# Allegro board RK_EVB7_RK3588_LP4XD200P232SD8_V11_20230111YWQ.brd (continued)
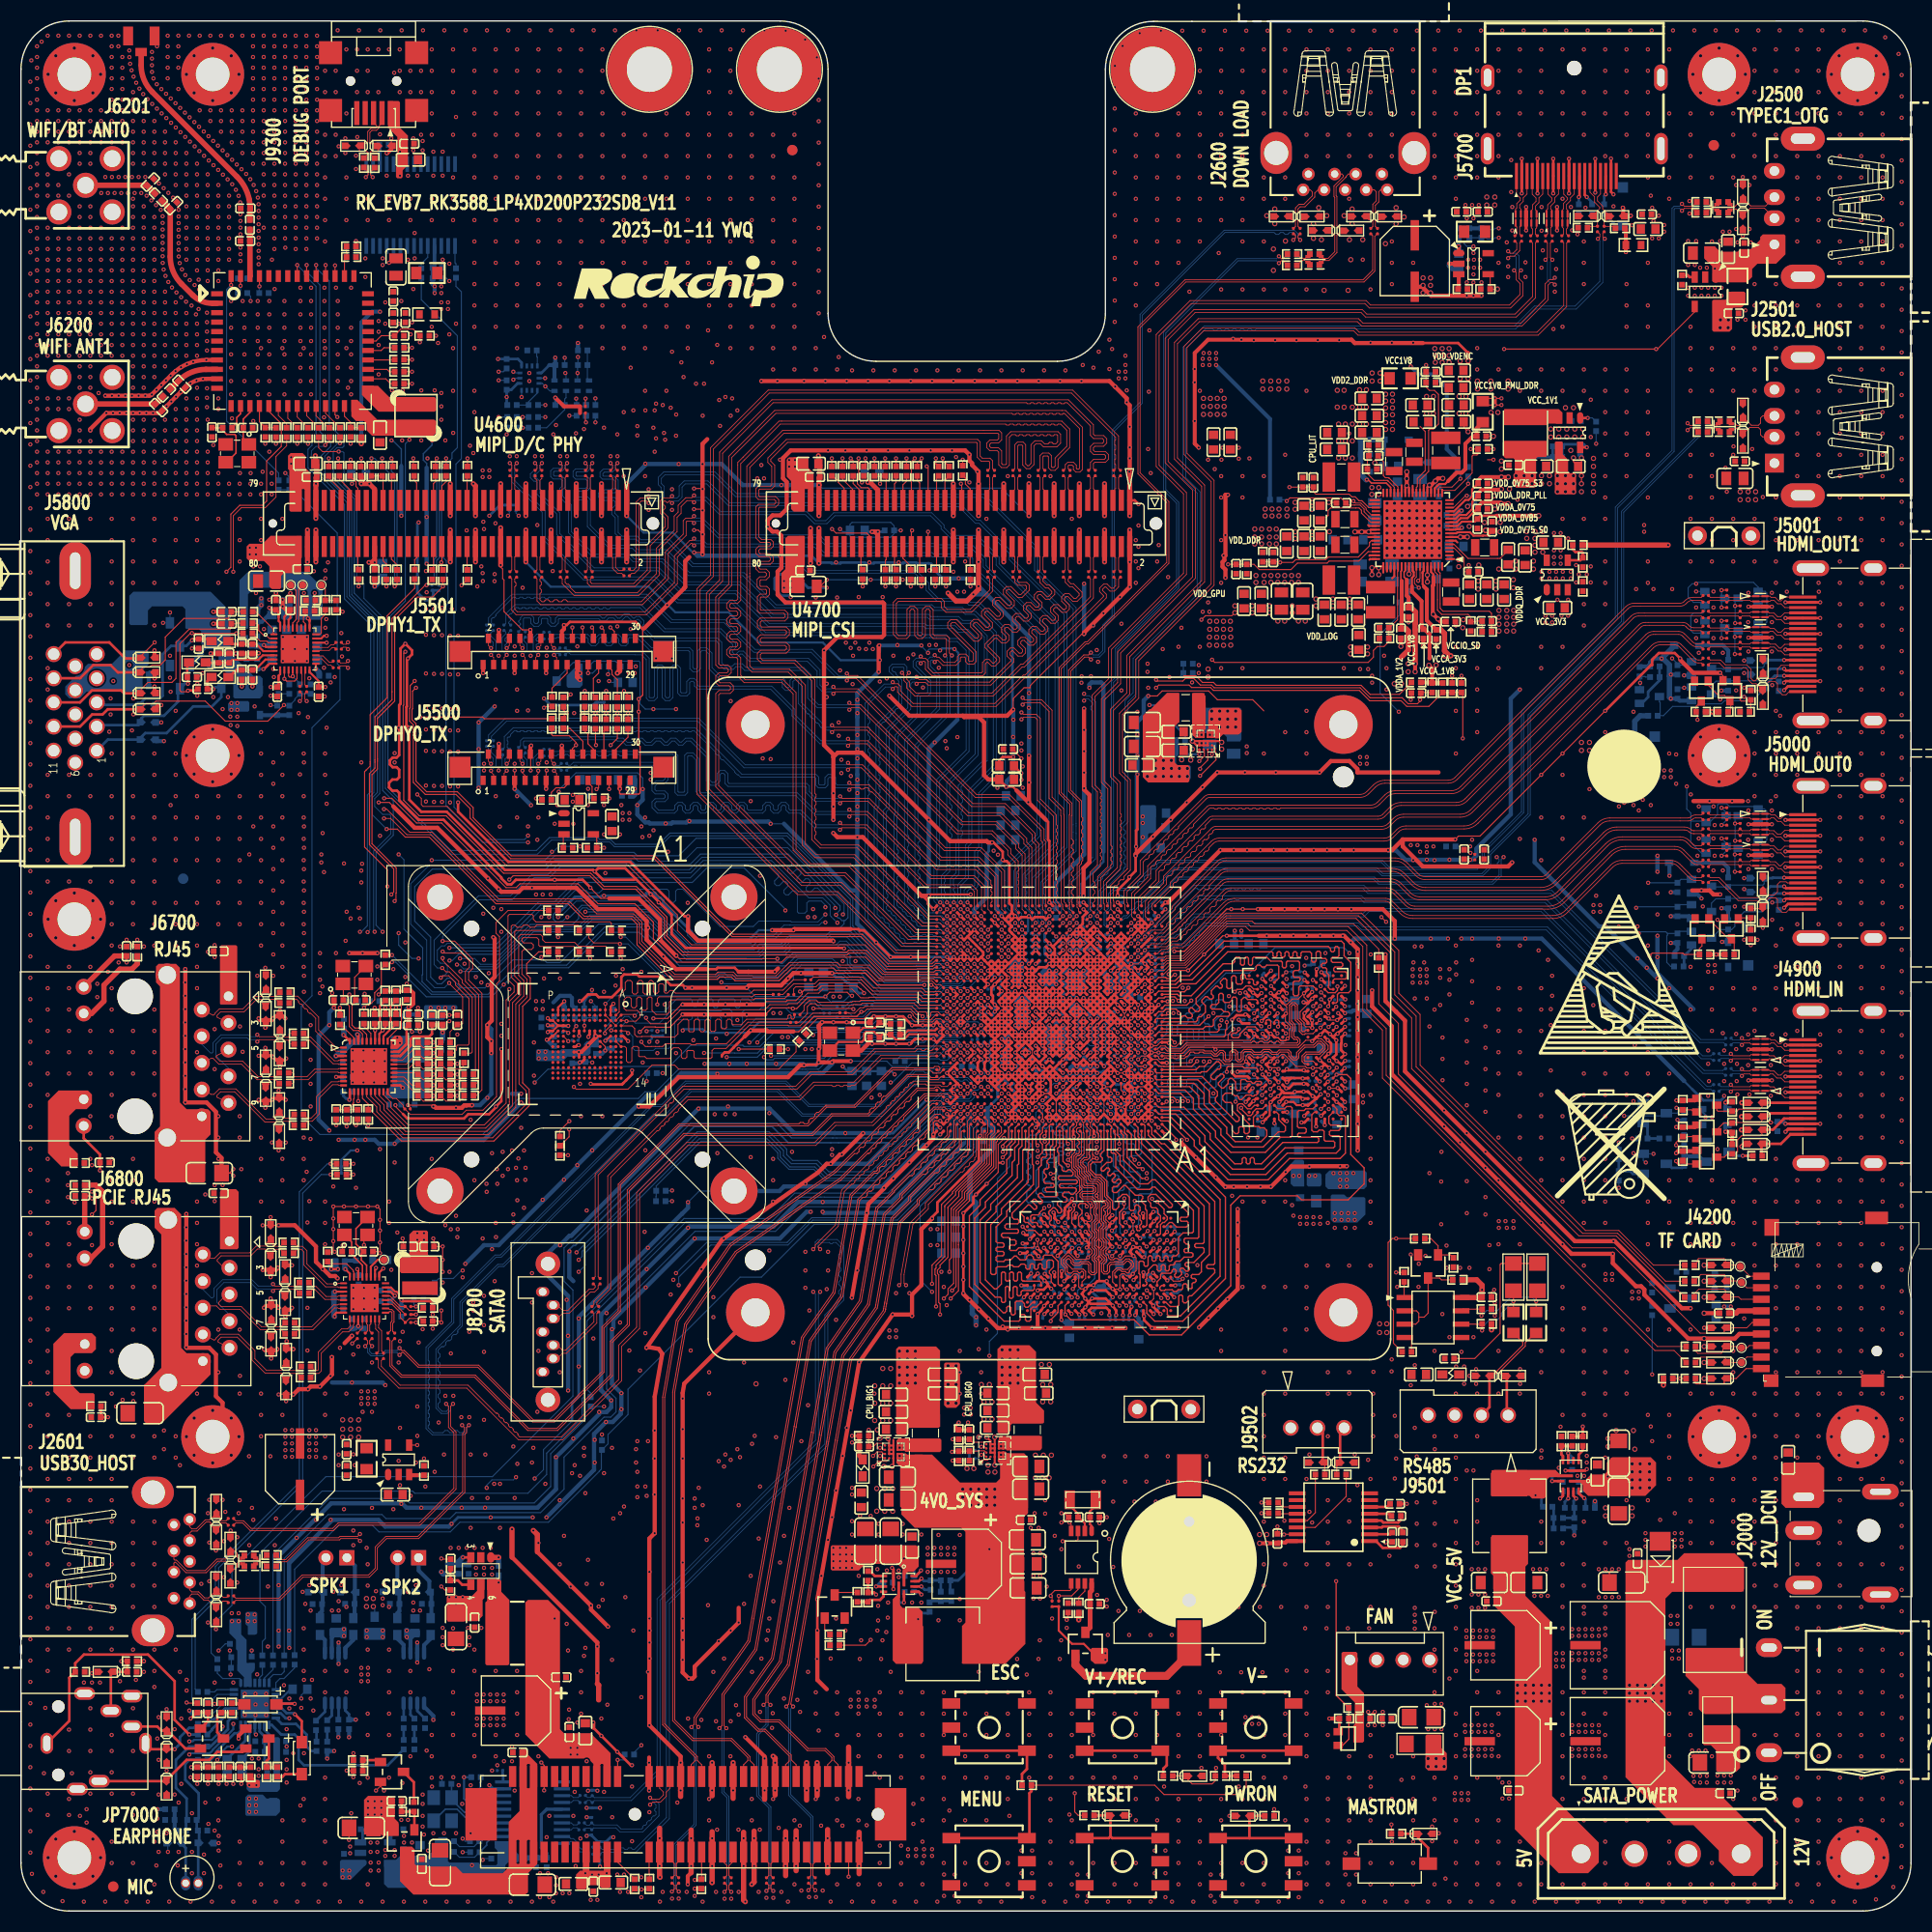
[diagram p0: board, top side]
## Routing (per net, layer and track width the routed paths; a pad name or vN(x,y) marks a point on that pad's centre or on a via; arc(x,y) is an arc through that point) (continued)
  BOTTOM w0.104: 89.82,73.12 89.95,73.26 89.95,73.64 89.82,73.77 ; v1(35.97,100.62) 36.47,100.12 36.47,93.51 38.25,91.73 38.25,89.19 38.2,89.14 38.2,88.51 39.17,87.53 41.43,87.53 41.81,87.91 ; v1(59.21,106.85) 59.21,107.9 58.71,108.39 52.85,108.39 51.21,106.75 v1(51.21,106.59) ; v1(63.53,67.5) 64.59,68.57 U4000.HOLE2 ; v1(38,83.73) v1(37.24,83.73) ; v1(13.53,122.68) D5810.1 v1(14.19,123.67) ; C4707.2 78.95,132.06 79.15,132.25 82.83,132.25 83.15,131.92 C4706.2 ; C4707.2 78.95,130.93 79.06,130.83 82.81,130.83 83.15,131.17 C4706.2 ; C4707.2 78.83,131.36 78.26,131.36 v1(78,131.61) ; 84.35,80.43 84.35,80.43 82.96,80.43 82.45,80.94 v1(79.02,80.94) ; C4706.2 v1(83.78,131.49) ; Q4903.2 154.5,71.5 154.71,71.29 v1(154.74,71.29) ; Q4903.2 153.63,72.11 v1(153.57,72.18) ; Q4903.2 v1(155.47,72.11) ; 72.03,90.56 71.81,90.34 63.02,90.34 62.41,90.95 v1(62.41,91) 62.41,91.07 59.48,94 55.01,94 51.34,90.32 50.08,90.32 v1(49.56,90.85) 49.3,90.59 46.86,90.59 v1(44.45,88.18) 44.18,87.91 41.81,87.91 ; 72.03,90.56 v1(72.03,90.7) ; 72.03,90.56 72.35,90.24 72.52,90.24 73.5,91.23 73.76,91.23 73.77,91.24 78.72,91.24 79.07,90.89 78.94,90.76 78.94,90.29 79.27,89.96 80.08,89.96 81.86,88.18 85.5,88.18 ; C1061.2 74.77,89.39 74.7,89.32 v1(74.28,89.32) ; C7004.2 19.46,25.44 v1(18.82,24.81) ; C9000.2 v1(51.78,147.93) ; C7013.2 26.7,20.55 v1(26.7,20.23) ; R1405.2 101.05,96.56 v1(101.19,96.7) ; 86.54,76.62 86.54,76.46 83.13,73.05 82.58,73.05 ; C8119.2 44.09,4.99 v1(43.97,4.87) ; C7015.2 25.24,15.72 v1(25.3,15.66) ; 72.67,103.55 v1(71.4,103.55) ; 54.04,106.69 54.04,106.84 v1(54.01,106.87) ; v1(35.33,90.36) 35.69,90.36 36.98,89.07 36.98,88.69 38.6,87.07 44.82,87.07 v1(45.98,88.22) 47.59,89.83 52.15,89.83 55.53,93.21 58.88,93.21 v1(61.18,90.91) ; ED5003.2 164.4,97.04 v1(164.11,97.32) ; v1(82.83,78.91) 82.98,78.91 84.38,80.3 ; v1(104.44,96.7) 104.78,96.7 R1406.2 ; v1(40.03,12.74) 40.09,12.68 C8129.2 ; v1(19.96,22.52) 19.96,23.12 C7001.2 20.02,23.18 C7003.2 19.99,24.17 19.89,24.27 v1(19.89,24.81) ; v1(39.12,100.08) 49.9,100.08 51.21,101.39 v1(53.24,101.39) 53.81,100.81 58.38,100.81 58.7,100.5 62.64,100.5 64.3,102.16 72.55,102.16 78.76,95.96 78.76,94.59 78.49,94.33 78.38,94.33 ; v1(85.75,120.53) 85.75,120.46 v1(86.39,119.83) 86.39,120.06 86.51,120.18 87.4,120.18 v1(87.53,120.06) ; ED5002.2 164.24,95.77 v1(164.11,95.65) ; v1(166.78,96.05) 167.21,96.05 C5011.2 ; v1(69.11,87.92) 69.94,87.09 v1(76.61,87.09) 77.17,86.53 77.3,86.65 78.38,86.65 78.89,87.16 v1(79.15,87.16) ; v1(53.04,148) C9001.2 53.01,147.2 v1(53.01,146.47) CON9000.3 ; C4009.2 55.61,84.13 v1(55.61,83.59) ; C9303.2 40.1,157.21 v1(40.16,157.27) ; v1(78.64,84.64) 78.78,84.5 79.07,84.5 79.08,84.51 80.55,84.51 81.18,85.13 81.18,85.15 v1(81.23,85.2) ; 78.38,94.33 78.19,94.33 77.94,94.57 77.82,94.57 77.62,94.78 77.62,94.87 v1(77.63,94.87) 77.63,94.96 78,95.34 78,95.71 73.06,100.66 64.7,100.66 63.73,99.68 58.5,99.68 58.11,100.07 50.83,100.07 49.99,99.23 39.17,99.23 37.5,97.56 37.5,94.26 39.01,92.75 39.01,88.94 39.65,88.31 40.06,88.31 40.59,88.84 40.97,88.84 41.81,88 41.81,87.91 ; 78.38,94.33 78.38,94.02 78,93.64 76.21,93.64 76.08,93.51 73.66,93.51 v1(73.56,93.41) 72.62,93.41 71.78,92.57 70.35,92.57 69.64,91.86 69.59,91.8 63.83,91.8 59.86,95.78 53.4,95.78 52.28,94.66 v1(52.04,94.66) 51.97,94.66 51.59,94.27 51.41,94.27 51.34,94.2 50.96,94.2 50.69,94.47 50.69,94.9 50.9,95.11 51.15,95.11 51.4,95.35 ; Q4900.2 153.76,76.94 v1(153.57,77.13) ; v1(17.3,117.9) 17.3,117.91 D5803.1 ; C9304.2 40.54,155.49 v1(40.79,155.23) ; C4008.2 54.35,80.87 v1(54.41,80.81) ; ED5010.2 v1(164.11,116.5) ; ED7000.2 13.98,5.64 v1(14,5.63) ; v1(45.75,82.08) 45.87,82.21 45.87,83.23 v1(45.75,83.35) 45.87,83.48 45.87,84.37 v1(45.75,84.5) ; v1(56.01,117.13) 56.14,117.01 C5513.2 ; v1(45.49,146.6) 45.94,146.6 C9003.2 ; v1(138.33,158.54) 137.69,158.54 137.44,158.79 137.44,158.85 C2600.2 R2601.2 139.52,159.36 139.65,159.23 140.26,159.23 140.39,159.36 v1(140.74,159.36) ; v1(76.73,126.79) 84.86,126.79 85.24,126.41 ; ED5012.2 v1(164.11,119.09) ; R4921.2 v1(152.17,73.19) ; C4900.2 167.22,75.1 v1(166.65,75.1) ; U9000.6 47.03,145.98 v1(46.89,145.84) ; v1(53.16,83.35) 53.15,83.35 53.15,83.04 C4005.2 ; 166.78,116.75 166.78,116.75 v1(166.78,116.75) ; v1(42.06,6.9) 42.32,6.64 R8115.1 ; v1(48.92,41.19) 49.76,42.02 49.76,43.94 52.48,46.66 ; C7000.2 v1(21.97,24.81) ; U9000.7 47,146.49 v1(46.89,146.6) ; C5510.2 51.01,117.32 52.58,118.89 52.67,118.89 52.79,119.01 53.9,119.01 54,118.91 54,118.53 C5511.2 54.58,119.04 56.6,119.04 C5512.2 57.11,118.94 57.21,119.04 58.85,119.04 58.95,118.94 58.95,114.98 59.46,114.47 v1(60.22,114.47) v1(62.38,114.47) ; v1(37.87,90.72) 37.24,90.72 35.97,91.99 v1(35.97,93.13) ; v1(76,135.8) 76.29,135.51 93.36,135.51 v1(95.99,132.88) ; 42.82,7.53 R8118.1 ; v1(159.54,125.67) 160.36,125.67 Q5010.2 ; 89.22,73.62 88.95,73.34 88.95,73.34 87.73,72.12 87.73,72.12 87.53,71.92 87.27,71.92 ; R9006.2 v1(49.94,143.42) ; C5802.2 C5805.2 ; ED5004.2 v1(164.11,98.36) ; R4911.2 v1(153.44,73.57) ; C9002.2 v1(45.49,145.78) ; ED7001.2 v1(18.82,6.47) ; v1(41.68,11.98) 41.81,11.85 ; R8112.1 v1(42.06,5.6)
  BOTTOM w0.127: v1(96.64,74.6) v1(96.64,75.25) ; 38.63,137.45 38.63,137.87 38.32,138.18 38.32,138.79 39.14,139.61 v1(39.14,140.06) ; v1(35.28,140.06) 35.33,140.06 35.39,139.99 35.46,139.99 36.22,139.23 36.22,137.71
  BOTTOM w0.152: 82.58,73.05 82.46,73.16 80.58,73.16 80.58,73.16 79.82,73.16 79.82,73.16 77.88,73.16 77.88,73.16 77.12,73.16 77.11,73.17 73.07,73.17 71.53,74.72 64.12,74.72 52.79,63.39 52.61,63.39 52.25,63.03 52.25,62.85 v1(52.22,62.82) ; v1(86.89,73.95) 86.77,74.08 86.77,74.59 R1801.2
  BOTTOM w0.203: 162.2,77.51 v1(162.2,77.64) ; v1(71.54,93.41) 70.25,93.41 69.37,92.52 65.13,92.52 ; v1(99.89,86.95) C1006.2 100.22,87.28 v1(100.54,86.95) ; v1(20.09,15.66) 19.64,15.66 18.96,14.98 18.96,14.65 v1(18.69,14.39) ; 89.18,113.83 89.26,113.92 89.26,119.83 v1(88.91,120.18) 88.8,120.18 88.73,120.25 87.72,120.25 v1(87.53,120.06) ; v1(16.03,14.9) 16.15,15.03 17.99,15.03 18.25,15.29 18.25,15.35 20.22,17.31 v1(20.22,17.82) ; v1(99.89,90.2) U1000.AE14 C1002.2 ; C1001.2 U1000.AE13 v1(100.54,90.2) ; v1(76.3,84.64) 70.27,84.64 v1(69.49,83.86) 69.37,83.73 69.22,83.73 69.13,83.64 67.21,83.64 ; R1719.2 108.99,96.05 v1(108.99,96.05) ; v1(67.21,83.54) 67.21,83.54 67.21,83.64 ; C1039.2 v1(97.94,90.2) ; 67.21,83.64 65.54,83.64 65.45,83.73 65.18,83.73 64.93,83.98 63.14,83.98 v1(63.02,83.86) ; 98.7,96.05 98.83,96.05 ; 98.7,96.05 98.58,96.18 98.58,96.56 ; 98.7,96.05 v1(97.94,96.05) ; v1(95.99,94.75) 95.91,94.67 95.91,93.32 C1605.2 ; v1(48.08,128.48) 50.44,126.13 59.79,126.13 v1(61.54,124.37) 61.63,124.37 62.31,123.69 67.39,123.69 70.27,120.8 76.37,120.8 78.04,119.13 v1(81.79,119.13) ; R1730.2 108.74,90.71 C1619.2 ; v1(16.03,16.15) 16.03,16.17 16.35,16.17 16.48,16.3 18.18,16.3 19.2,17.31 v1(19.2,17.57) ; 103.09,100.88 103.09,99.93 100.99,97.83 100.99,96.91 v1(101.19,96.7) ; 158.37,79.06 159.18,78.25 ; v1(57.68,132.88) 59.29,131.28 62.08,131.28 63.97,129.39 v1(64.1,129.39)
  BOTTOM w0.254: v1(120.57,78.93) 120.59,78.95 120.59,79.31 C3807.2 121.26,79.34 C3821.2 ; v1(108.45,63.16) 108.45,63 108.03,62.58 C3872.2 ; C1742.2 104.69,90.85 104.93,90.85 105.47,90.3 105.6,90.3 105.64,90.26 105.67,90.26 105.72,90.2 v1(105.74,90.2) ; C1742.2 103.98,91.04 v1(103.79,90.85) 103.66,90.85 103.45,91.06 R1400.2 ; C1742.2 104.55,91.04 105.01,91.5 v1(105.09,91.5) 105.09,91.69 R1401.2 ; 162.2,77.51 161.9,77.21 160.22,77.21 159.18,78.25 ; v1(73.3,125.14) 73.18,125.26 72.42,125.26 71.78,125.9 71.78,126.91 72.16,127.29 73.69,127.29 74.96,126.02 v1(76.73,126.02) ; 53.64,86.68 53.62,86.65 v1(53.21,86.65) ; 53.64,86.68 53.75,86.78 53.75,86.87 54.06,87.18 54.15,87.18 54.38,87.42 v1(54.38,87.72) ; 53.64,86.68 R4004.2 ; v1(106.07,78.31) 106.39,77.98 v1(106.39,77.85) v1(105.74,77.85) ; v1(106.07,78.31) 105.74,78.63 ; v1(106.07,78.31) 105.74,77.98 ; C3825.2 v1(121.31,78.02) ; v1(99.35,59.98) 99.73,60.36 C3858.2 ; v1(92.48,101.77) 92.16,101.45 92.16,100.94 91.92,100.69 91.97,100.64 ; C3883.2 108.15,57.95 v1(107.84,57.64) ; C3832.2 123.22,77.41 v1(123.02,77.61) ; v1(147.35,39.29) 147.03,38.97 R2106.2 ; C3833.2 117.25,78.31 v1(117.29,78.35) ; C3865.2 104.23,56.69 v1(104.3,56.76) ; C3857.2 96.19,60.33 v1(96.19,60.72) 96.23,60.76 C3871.2 95.66,62.21 C3860.2 95.15,62.66 v1(95.15,62.65) ; v1(99.89,76.55) 99.89,77.2 v1(99.89,77.2) v1(99.24,77.2) v1(99.24,77.85) ; C1404.2 101.04,92.95 v1(101.19,92.8) 101.36,92.97 C1400.2 ; C1404.2 100.69,92.95 v1(100.54,92.8) ; C1404.2 100.54,93.28 v1(100.54,93.45) ; R8108.2 55.12,4.26 v1(55.14,4.23) ; C3859.2 103.4,65.06 v1(103.93,65.59) ; v1(107.69,88.9) 107.93,88.9 C1505.2 ; v1(80.29,87.41) 79.8,87.41 C1060.2 78.83,88.38 78.69,88.38 78.13,88.94 77.62,88.94 v1(77.24,89.32) ; v1(96.82,56.85) 96.8,56.83 C3876.2 ; v1(103.79,77.85) v1(103.14,78.5) 103.15,78.51 C1207.2 102.7,78.95 v1(102.49,79.15) ; v1(107.04,90.2) v1(107.69,90.85) 107.96,90.85 R1730.2 ; v1(107.04,90.2) 107.22,90.02 C1741.2 107.22,89.73 v1(107.04,89.55) ; v1(107.04,90.2) 107.02,90.2 106.97,90.26 105.8,90.26 v1(105.74,90.2) ; v1(124.17,74.84) 123.85,75.16 C3822.2 ; v1(97.94,90.85) 97.8,90.85 C1609.2 97.49,91.17 C1602.2 97.92,92.15 v1(97.94,92.15) 97.72,92.38 C1611.2 C1613.2 ; C1717.2 106.3,88.25 v1(106.39,88.25) 106.07,88.58 C1716.2 105.92,88.72 v1(105.74,88.9) 105.92,89.08 C1732.2 105.92,89.37 v1(105.74,89.55) 105.92,89.73 C1731.2 105.92,90.02 v1(105.74,90.2) ; 105.74,78.63 105.74,77.98 ; 105.74,78.63 v1(105.74,79.15) ; 82.7,74.08 83.06,74.08 v1(86.25,77.27) ; C3831.2 117.78,75.2 118.16,75.2 v1(118.25,75.11) ; C1213.2 99.72,82.03 99.72,81.51 C1227.2 99.83,81.1 v1(99.24,81.1) ; v1(101.37,56.81) 101.29,56.73 C3864.2 ; v1(56.41,7.03) 56.16,7.03 55.72,6.59 R8107.2 54.94,6.59 54.36,7.18 R8114.2 53.95,7.23 v1(53.87,7.15) ; v1(55.14,9.82) 55.14,9.82 R8126.2 53.88,9.82 v1(53.87,9.82) ; v1(117.44,83.55) 117.37,83.48 C3814.2 ; C3884.2 107.6,64.18 v1(107.87,63.9) ; C3852.2 99.74,67.03 99.78,67.03 v1(99.95,66.87) ; v2(137.77,133.77) 137.95,133.96 R2213.2 ; 105.69,62.78 105.69,62.99 105.92,63.23 v1(105.92,63.24) ; 105.69,62.78 105.69,62.64 v1(105.95,62.38) 106.01,62.32 C3854.2 106.01,60.99 105.89,60.87 v1(105.89,60.67) 105.59,60.67 C3861.2 ; 105.69,62.78 C3847.2 ; C3820.2 116.78,80.52 116.78,80.82 v1(116.68,80.91) ; v1(106.2,101.39) 106.2,108.12 v1(106.32,108.24) ; v1(97.47,65.5) 97.15,65.5 C3886.2 ; 87.78,126.91 86.97,127.73 86.97,127.99 86.7,128.26 86.66,128.3 86.5,128.3 86.45,128.35 85.33,128.35 85.26,128.42 84.02,128.42 84.02,128.35 83.16,128.35 83.16,128.42 81.23,128.42 81.23,128.35 80.37,128.35 80.37,128.42 78.05,128.42 78.05,128.35 77.19,128.35 77.19,128.42 76.05,128.42 v1(75.99,128.36) 75.28,129.07 v1(72.29,129.07) ; C3882.2 107.91,65.74 v1(107.91,65.69) ; v1(105.77,57.55) 105.77,57.75 105.59,57.92 C3874.2 ; v1(53.87,8.93) 53.9,8.9 R8117.2 ; 51.46,95.29 52.76,96.59 55.23,96.59 55.32,96.69 v1(55.52,96.69) 59.54,96.69 59.54,96.93 60.4,96.93 60.4,96.69 60.43,96.69 60.64,96.48 60.91,96.48 61.16,96.23 61.16,95.96 63.86,93.26 63.86,93.14 64.47,92.52 65.13,92.52 ; v1(97.29,82.4) 97.47,82.23 C1023.2 97.47,81.93 v1(97.29,81.75) ; C3885.2 96.77,63.16 v1(96.8,63.13) ; v1(86.39,90.85) v1(88.19,90.85) v1(88.84,90.85) ; 86.46,96.74 v1(86.46,96.69) 86.46,95.84 v1(86.89,95.4) ; C3881.2 98.38,59 v1(98.11,59.26) ; 105.74,77.98 v1(105.74,77.85) ; v1(101.84,81.1) 101.86,81.08 C1229.2 102.17,80.78 v1(102.49,81.1) 102.73,80.86 C1212.2 ; C3863.2 110.13,64.45 v1(109.87,64.7) 109.87,65.07 C3878.2 ; v1(99.24,77.85) v1(99.89,77.85) ; v1(99.24,77.85) 99.69,78.3 C1219.2 ; v1(94.49,114.42) 94.42,114.49 94.42,122.44 94.39,122.48 94.39,122.76 94.49,122.87 ; v1(101.19,75.25) v1(101.84,75.25) v1(101.84,75.9) v1(101.84,76.55) ; 107.54,94.48 107.69,94.33 v1(107.69,94.1) ; v1(41,36.87) 41.62,37.49 44.73,37.49 v1(44.73,37.49) v1(48.73,37.49) ; v1(109.82,58.45) 109.65,58.62 C3875.2 110.13,58.86 C3867.2 ; v1(103.4,59.98) 102.9,59.48 C3855.2 ; v1(97.94,86.3) 98.13,86.49 C1041.2 98.41,86.49 v1(98.59,86.3) ; v1(102.13,59.61) 102.45,59.29 C3855.2 ; v1(105.74,77.85) v1(105.74,77.2) v1(105.09,77.2) v1(105.09,76.55) ; U7000.29 U7000.18 22.28,16.91 22.38,16.8 22.38,16.8 v1(22.38,16.8) ; v1(102.49,88.9) 102.47,88.9 102.42,88.95 ; v1(53.11,51.86) 53.11,49.01 52.48,48.37 52.48,46.66 ; C3849.2 99.98,58.34 v1(100.08,58.44) ; C3862.2 105.5,56.66 v1(105.6,56.76) ; 101.65,62.68 101.65,63.04 v1(101.5,63.19) ; 101.65,62.68 C3868.2 ; 101.65,62.68 101.65,62.27 v1(101.63,62.25) 101.02,61.64 C3856.2 ; v1(111.02,60.54) 110.31,61.25 C3869.2 ; C1408.2 103.36,92.37 v1(103.79,92.8) 103.59,93 C1410.2 ; C3870.2 95.06,57.99 v1(95.52,58.45) ; C3879.2 97.67,59.86 v1(97.49,60.04) 97.06,59.61 C3877.2 ; C3804.2 v1(115.21,78.4) ; v1(101.84,90.85) 101.84,90.87 101.54,91.17 C1403.2 ; v1(106.07,67.63) 106.1,67.6 C3848.2 ; v1(106.96,56.65) 106.96,56.93 C3853.2 ; C1301.2 104.25,87.41 v1(104.44,87.6) 104.62,87.78 C1714.2 104.62,88.07 v1(104.44,88.25) 104.62,88.43 C1729.2 C1738.2 104.62,89.37 v1(104.44,89.55) ; C3805.2 122.5,79.29 v1(122.07,79.29) ; v1(103.97,59.25) 103.94,59.29 C3855.2 ; 36.22,137.58 36.22,137.71 ; U7000.13 24.74,18.83 25.21,18.35 v1(25.55,18.35) ; C3888.2 98.26,56.99 v1(98.13,56.85) ; C3838.2 124.63,79.79 v1(124.45,79.62) ; v1(99.89,90.85) 99.91,90.85 C1407.2 100.23,91.12 100.49,90.85 v1(100.54,90.85) 100.55,90.85 C1406.2 ; v1(99.36,63.97) 99.36,63.9 v1(100.12,63.15) 99.97,63 C3850.2 ; v1(107.04,88.9) 106.83,88.69 C1740.2 ; C3806.2 v1(115.09,86.15) ; 89.18,113.83 89.18,113.45 ; C1605.2 95.7,93.11 95.7,93.11 95.39,92.8 v1(95.34,92.8) ; v1(122.07,76.75) 122.15,76.83 122.56,76.83 C3836.2 ; v1(106.55,63.15) 106.58,63.12 C3866.2 ; v1(126.11,80.97) 126.12,80.96 126.49,80.96 C3823.2 ; v1(106.9,60.82) 107.1,60.62 C3887.2 107.64,60.62 v1(107.8,60.78) ; v1(85.75,30.91) 86.06,30.59 R2008.2 ; v1(100.54,75.25) v1(100.54,75.9) ; C3839.2 115.73,77.13 v1(115.67,77.08) ; C3817.2 118.77,83.3 v1(119.02,83.55) ; v1(98.71,63.15) 98.21,62.65 C3880.2 ; v1(123.84,89.4) 124.32,89.4 C3827.2 ; v1(54,11.46) 54.04,11.49 R8125.2 54.85,11.49 v1(54.89,11.46) ; C3813.2 122.84,90.08 122.3,90.08 v1(122.25,90.03)
  BOTTOM w0.305: C3816.2 122.42,86.55 v1(122.15,86.55) ; U8102.9 44.94,11.64 v1(44.6,11.98)
  BOTTOM w0.356: v1(85.75,120.53) v1(81.74,120.53) 81.74,119.98
  BOTTOM w0.381: v1(69.11,80.69) 71.91,80.69 v1(71.91,80.69) ; C4900.2 167.85,75.17 v1(168.05,74.97) ; v1(30.25,25.56) U7001.7 v1(30.25,23.54) ; C4006.2 55.32,81.63 v1(55.64,81.95) 55.83,82.14 C4000.2 ; v1(29.83,15.24) R7025.1 v1(29.16,14.52) ; D5804.2 12.84,111.42 v1(13.61,111.42) ; C7024.1 v1(30.23,16.55) ; v1(12.73,117.39) 12.73,117.57 12.34,117.95 12.29,117.95 12.16,117.83 C5827.2 C5828.2 ; v1(50.17,84.37) 50.24,84.29 C4003.2 ; C4001.2 v1(51.74,86.64) ; C5011.2 167.67,96.25 167.92,96.25 v1(167.92,96.25) ; R7024.1 v1(31.24,16.55) ; C4008.2 53.27,80.87 v1(53.22,80.82) 53.14,80.74 C4007.2 ; C4002.2 50.66,82.39 v1(50.07,82.98) ; D5808.2 v1(13.36,113.2) ; v1(37.74,25.57) U7002.7 v1(37.74,23.67) ; D5811.2 v1(13.36,114.85)
  BOTTOM w0.406: v1(130.2,101.04) 130.23,101.01 130.96,101.01 131.85,100.12 v1(133.88,100.12) v1(136.04,100.12) v1(138.02,100.12) 138.2,100.12 138.61,100.52 138.61,101.17 141.88,104.45 141.88,115.47 v1(142.75,116.33) ; v1(52.11,49.57) 52.11,58.58 50.18,60.5 J8200.9 50.18,62.64 50.95,63.41 v1(51.35,63.41) 51.35,63.42 52.23,64.3 52.41,64.3 v1(64.52,76.42) 71.29,76.42 73.62,74.09 77.49,74.09 77.5,74.08 v1(78.51,74.08) 82.7,74.08 ; 87.78,126.91 v1(89.31,126.91) 90.45,126.91 v1(91.19,126.17) 91.97,125.39 ; v1(155.85,98.97) v1(155.85,100.5) ; 87.27,71.92 82.88,67.53 76.35,67.53 v1(76.35,67.53) 76.35,67.53 74,67.53 71.66,65.19 63.65,65.19 v1(63.53,65.06) v1(59.59,61.13) 55.25,56.79 55.25,49.59 v1(56.21,48.63) 56.21,47.97 55.78,47.54 55.77,47.54 55.74,47.52 v1(55.06,47.52) 55.06,47.33 v1(50.95,43.22) 50.95,40.17 49.18,38.4 v1(44.19,38.4) v1(41.96,38.4) v1(38.13,38.4) 36.72,38.4 36.35,38.78 v1(36.22,38.78) 36.17,38.83 29.54,38.83 v1(26.25,35.54) 24.54,33.82 v1(24.54,31.03) v1(24.54,26.71) v1(24.54,25.19) ; v1(53.11,51.86) 53.13,51.88 53.13,56.41 v1(53.11,56.43) 53.11,56.57 v1(59.71,63.17) 62.95,66.41 62.97,66.41 63.53,66.97 v1(63.53,67.5) ; 52.6,59.98 52.22,60.37 v1(52.22,62.82) ; 29.62,50.33 v1(31.52,50.33) 34.44,50.33 v1(34.7,50.08) ; v1(137.17,92.61) v1(138.2,92.61) v1(140.74,92.61) v1(143.27,92.61) 144.83,92.61 158.37,79.07 158.37,79.06 ; v1(77.24,80.83) 77.24,80.69 76.35,79.8 76.13,79.8 76.02,79.8 76.02,79.79 74.89,79.79 62.89,79.79 60.73,77.64 59.59,77.64 v1(54.4,72.45) v1(52.98,71.03) 52.98,70.91 v1(51.71,69.64) 45.49,63.41 44.09,63.41 v1(42.32,61.64) ; v1(93.39,94.75) 93.39,94.89 92.94,95.34 92.94,99.56 v1(93.5,100.12) ; v1(45.11,114.72) v1(43.59,113.2) v1(43.59,110.66) v1(43.59,106.97) ; v1(47.63,77.83) 46.76,77.83 ; v1(126.64,92.24) 127.01,92.61 v1(130.84,92.61) v1(134.26,92.61) v1(135.9,92.61) ; v1(29.36,74.34) 28.35,75.35 28.35,83.35 v1(29.36,84.37) 29.36,85.58 v1(29.8,86.02) ; v1(48.57,105.31) v1(47.01,106.87) ; 79.64,97.2 79.64,94.03 82.82,90.85 v1(82.83,90.85) v1(84.73,90.85) v1(86.39,90.85) ; 79.64,97.2 79.02,97.2 72.67,103.55 ; 79.64,97.2 79.64,103.42 79.65,103.42 79.65,104.43 79.64,104.43 79.64,104.69 79.65,104.69 79.65,105.7 79.64,105.7 79.64,105.96 79.65,105.96 79.65,106.97 79.64,106.97 79.64,107.23 79.65,107.23 79.65,108.24 79.64,108.24 79.64,109.26 79.65,109.26 79.65,111.16 79.64,111.16 79.64,111.5 79.65,111.5 79.65,112.51 79.64,112.51 79.64,112.69 79.65,112.69 79.65,113.7 79.64,113.7 79.64,113.96 79.65,113.96 79.65,114.97 79.64,114.97 79.64,115.98 v1(81.69,118.02) ; v1(65.1,80.69) v1(67.46,80.69) v1(69.11,80.69) ; v1(71.91,80.69) 72.1,80.69 72.1,80.69 74.45,80.69 v1(74.57,80.56) 75.7,80.56 v1(75.97,80.83) ; v1(106.32,108.24) 106.32,113.26 106.93,113.87 106.93,115.29 v1(107.36,115.72) ; v1(101.24,121.63) v1(101.24,126.41) ; 89.82,73.12 83.18,66.49 v1(80.54,66.49) 76.45,66.49 v1(76.35,66.59) ; v1(42.95,76.75) 43.71,76.75 v1(44.41,77.45) 44.79,77.83 v1(44.79,81.71) v1(44.79,82.85) 44.79,83.99 v1(44.41,84.37) ; v1(57.68,135.93) 59.46,137.71 v1(59.46,137.84) 59.49,137.81 v1(62.64,137.81) v1(64.91,137.81) 66.73,137.81 68.73,135.8 v1(72.42,135.8) v1(76,135.8) ; v1(144.16,102.02) 144.16,99.88 150.28,93.77 v1(150.9,93.77) v1(152.17,92.5) v1(153.95,90.72) v1(154.84,89.83) v1(155.85,88.81) ; v1(86.26,72.94) 85.96,72.94 82.03,69 72.67,69 72.23,68.57 U4000.HOLE2 ; 82.58,73.05 80.69,71.16 v1(77.11,71.16) ; v1(36.22,132.88) 36.22,137.58 ; v1(72.29,129.07) 64.42,129.07 v1(64.1,129.39) ; 91.97,125.39 v1(90.7,125.39) ; 91.97,125.39 96,121.36 v1(96,115.99) v1(96,110.02) v1(96,107.47) ; v1(41,36.87) 40.75,36.62 34.68,36.62 34.04,37.25 29.67,37.25 25.53,33.11 v1(25.53,26.71) 25.53,25.08 v1(25.55,25.06) ; 38.63,137.45 v1(38.63,132.76) v1(38.63,128.31) ; 159.28,85.89 155.85,89.32 v1(155.85,90.85) v1(155.85,92.88) ; v1(90.79,94.75) 90.79,95.38 91.97,96.56 91.97,100.64 ; v1(30.25,73.45) v1(31.78,73.45) v1(32.79,73.45) 33.68,73.45 34.06,73.07 v1(35.59,73.07) 35.95,73.43 44.06,73.43 v1(47.63,77) 47.76,76.88 ; 98.58,96.56 98.58,97.96 101.24,100.62 v1(101.24,106.92) v1(101.24,108.42) v1(101.24,110.45) v1(101.24,112.48) ; v1(59.21,106.85) 59.21,105.83 v1(58.7,105.32) 58.7,104.43 59.46,103.67 59.8,103.67 59.9,103.57 61.32,103.57 v1(61.4,103.57) 61.94,103.57 62.05,103.67 63.38,103.67 63.52,103.8 v1(63.65,103.8) 63.7,103.75 71.19,103.75 v1(71.4,103.55) ; 86.46,96.74 v1(86.46,103.93) 86.46,110.73 v1(87.02,111.29) 89.18,113.45 ; v1(94.49,114.42) v1(94.49,111.82) v1(94.49,109.91) 94.49,108.23 93.88,107.61 93.88,107.1 ; 103.09,100.88 103.09,115.47 103.09,115.48 103.09,116.8 102.88,117.01 101.96,117.01 101.75,116.8 v1(101.75,116.5) ; 93.88,107.1 v1(93.84,107.06) 93.88,107.06 93.88,107.1 ; v1(50.04,37.49) 54.58,42.02 54.58,45.44 v1(55.71,46.57) 56.35,46.57 57.13,47.35 57.13,47.62 57.18,47.67 v1(57.18,47.79) v1(57.18,49.32) 56.29,50.21 v1(56.29,55.41) 56.41,55.54 56.41,56.3 v1(59.5,59.39) v1(64.16,64.05) v1(66.94,64.05) 72.27,64.05 74.81,66.59 v1(75.21,66.59)
  BOTTOM w0.508: C2604.2 136.3,156.44 136.04,156.69 v1(136.04,156.89) ; C4607.2 34.44,126.91 v1(33.68,126.15)